# KiCad board FPGA_Board_BA.kicad_pcb (continued)
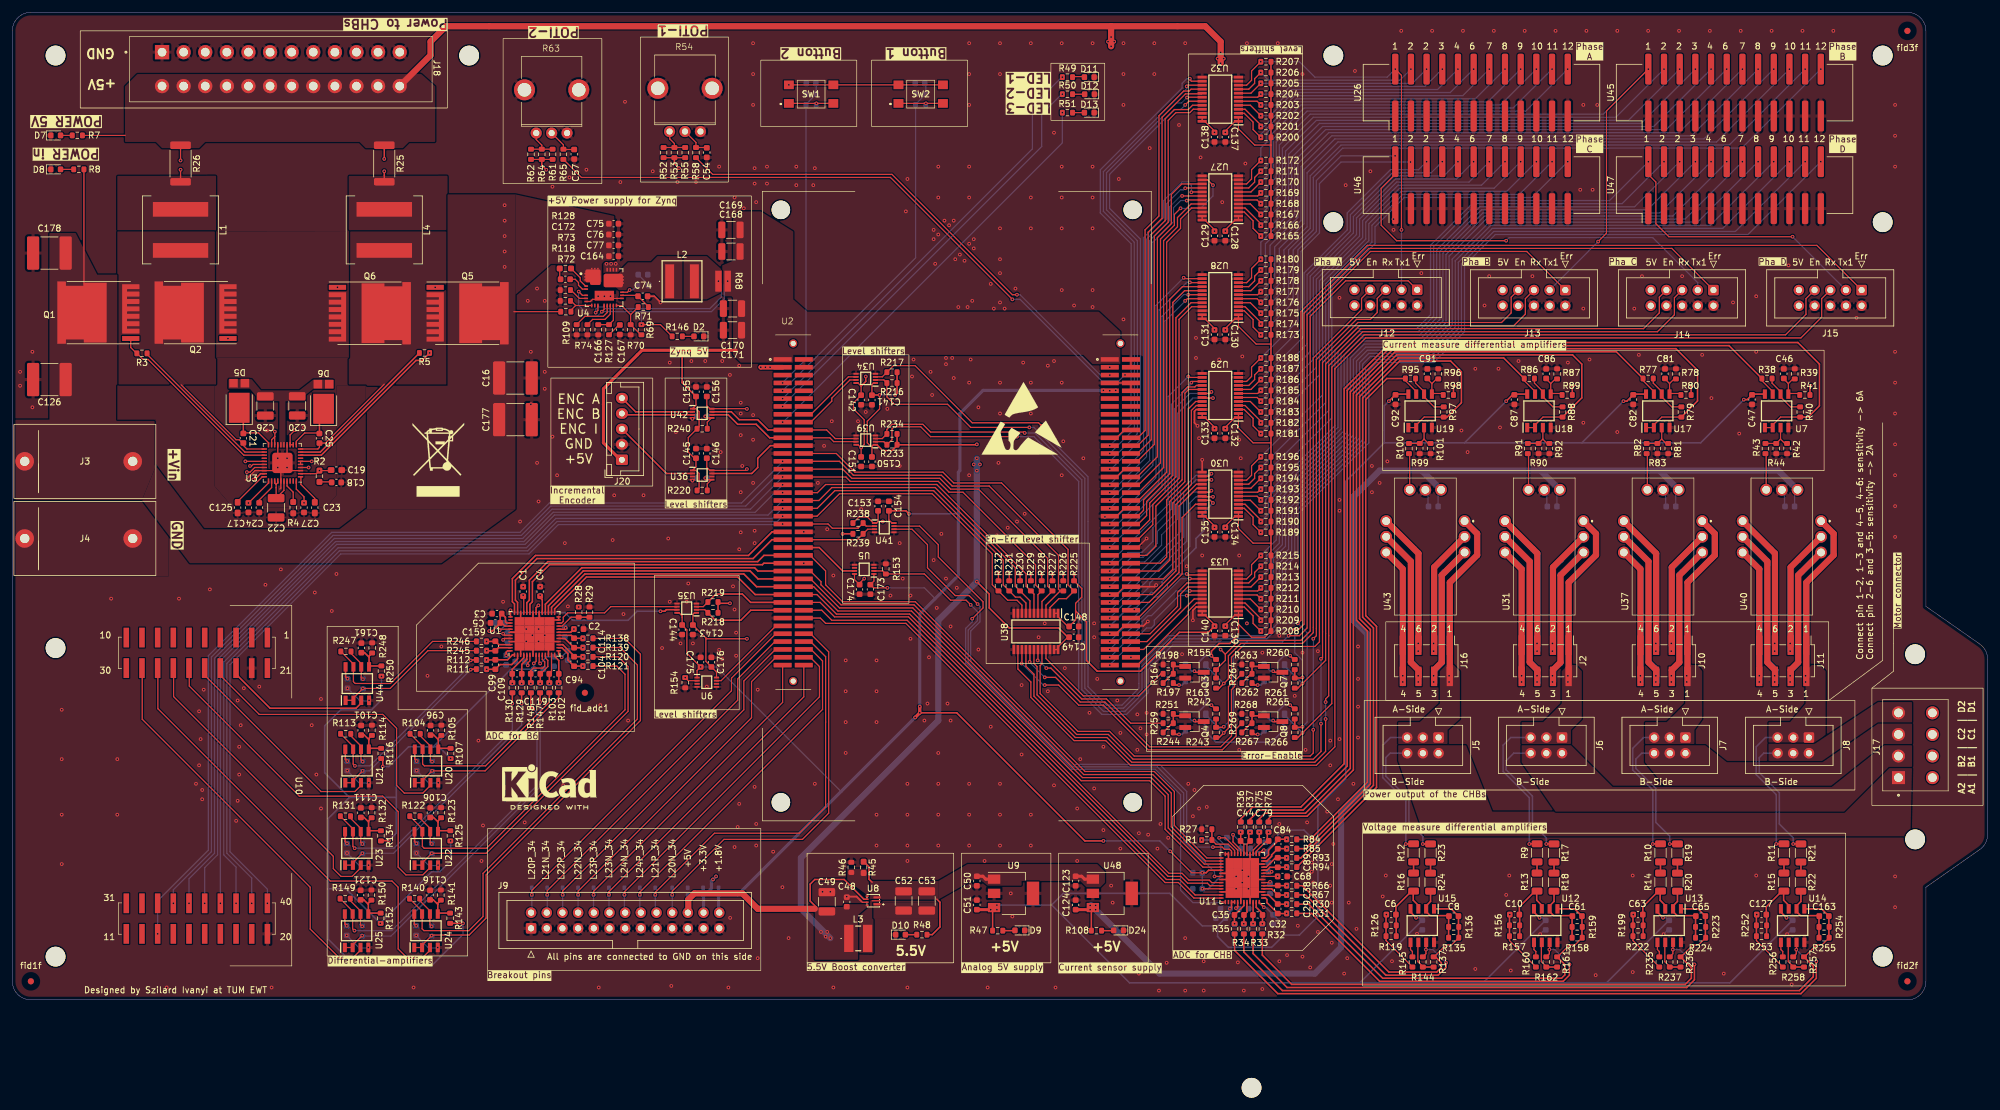
[diagram p0: board, top side]
## Routing (per net, layer and track width the routed paths; a pad name or vN(x,y) marks a point on that pad's centre or on a via; arc(x,y) is an arc through that point) (continued)
/FPGA/Poti2: length 106.3
  Top w0.2: 89.27,136.18 92.2,133.25 142.25,133.25 v1(162,113.5)
  Bottom w0.2: v1(162,113.5) 163.25,113.5 176.5,100.25 179.25,100.25 v1(180.25,101.25)
/FPGA/PWM_AH: length 140.2
  Bottom w0.2: v1(41.32,15.64) 41.32,17.93 35.25,24 35.25,54.31 53.19,72.25 83.7,72.25 88.45,77 124.69,77 v1(124.79,77.09)
/FPGA/PWM_AL: length 140.5
  Bottom w0.2: v1(38.78,15.64) 38.78,19.72 34.75,23.75 34.75,54.52 52.98,72.75 83.49,72.75 88.24,77.5 123.92,77.5 v1(124.79,78.37)
/FPGA/PWM_BH: length 140.8
  Bottom w0.2: v1(36.24,15.64) 36.24,21.51 34.25,23.5 34.25,54.72 52.78,73.25 83.29,73.25 88.04,78 123.15,78 v1(124.79,79.64)
/FPGA/PWM_BL: length 141.1
  Bottom w0.2: v1(124.79,80.91) 122.43,78.55 87.81,78.55 83.06,73.8 52.55,73.8 33.7,54.95 v1(33.7,15.64)
/FPGA/PWM_CH: length 143.6
  Bottom w0.2: v1(31.16,15.64) 31.16,21.41 33.25,23.5 33.25,55.14 52.36,74.25 82.87,74.25 87.62,79 120.34,79 v1(124.79,83.44)
/FPGA/PWM_CL: length 145.6
  Bottom w0.2: v1(28.62,15.64) 28.62,19.62 32.75,23.75 32.75,55.34 52.16,74.75 82.66,74.75 87.41,79.5 119.57,79.5 v1(124.79,84.72)
/Main_DCDC/Comp1: length 18.7
  Top w0.2: U3.2 49.25,85.25 v1(49.75,85.75) 51.55,85.75 C19.1
  Top w0.25: 39.02,84.31 39.27,84.31 40.21,85.25 U3.29
  In2.Cu w0.25: 39.02,84.31 v1(39.06,84.31) 48.31,84.31 v1(49.75,85.75)
/Main_DCDC/Leg-1/Gate_H: length 30.2
  Top w0.2: 20.18,104.75 21.18,103.75 22,103.75 37.5,88.25 U3.23 ; 20.05,104.83 19.18,105.7 Q1.1
/Main_DCDC/Leg-1/Gate_L: length 22
  Top w0.2: 42.5,91.25 42.52,91.27 v1(42.52,92.06) ; 42.5,91.25 42,90.75 U3.19 ; 42.5,91.25 U3.18
  Top w0.25: v1(34.93,107.15) 35.02,107.06
  In2.Cu w0.2: v1(34.93,107.15) 34.93,104.65 42.52,97.06 v1(42.52,92.06)
/Main_DCDC/Leg-1/R_I+: length 61.4
  Top w0.2: v1(27.25,134.5) R26.2 ; v1(38,85.5) 38.5,85.5 39.25,86.25 U3.27
  In2.Cu w0.2: v1(38,85.5) 37.25,85.5 36.75,86 35.25,86 33.03,88.23 33.03,130.66 28.68,135 27.75,135 v1(27.25,134.5)
/Main_DCDC/Leg-1/SW: length 17.9
  Top w0.2: 37.42,90.14 37.42,89.83 38,89.25 U3.21 ; C21.2 37.28,90.23 36.75,90.75 36.24,90.75 27.35,99.64
/Main_DCDC/Leg-2/Gate_H: length 38.8
  Top w0.25: U3.8 50.05,88.25 65.4,103.6 66.39,103.6 v1(67.59,104.81)
  In2.Cu w0.25: v1(68.5,115.45) 68.5,105.71 v1(67.59,104.81)
/Main_DCDC/Leg-2/Gate_L: length 29.6
  Top w0.2: v1(45.77,92.31) 45,91.54 U3.13 U3.12
  In2.Cu w0.2: v1(52.67,115.45) 52.67,104.46 45.25,97.04 45.25,92.83 v1(45.77,92.31)
/Main_DCDC/Leg-2/R_I+: length 61.6
  Top w0.2: v1(48,86.25) U3.4
  Top w0.25: R25.2 v1(60.25,134.25)
  In2.Cu w0.2: v1(60.25,134.25) 59.5,135 57,135 54.5,132.5 54.5,88.5 52.75,86.75 49.25,86.75 48.75,86.25 v1(48,86.25)
/Main_DCDC/Leg-2/SW: length 18.2
  Top w0.2: U3.10 49.5,89.25 49.75,89.5 49.75,90.12 ; 49.75,90.21 50.71,90.21 60.25,99.75
/Main_DCDC/Mode: length 6.8
  Top w0.2: 42.73,83.52 C22.1 44,82.56 U3.36 ; 42.73,83.52 42.5,83.75 U3.33 ; 42.73,83.52 43,83.79 U3.34
/User Interaction/LED1: length 70.9
  Bottom w0.2: v1(124.79,97.42) 165.25,137.88 165.25,144.75 170,149.5 v1(170.1,149.5)
/User Interaction/LED2: length 69.4
  Bottom w0.2: v1(124.79,96.15) 124.79,96.29 166.75,138.25 166.75,143.5 169.99,146.74 v1(170.1,146.74)
/User Interaction/LED3: length 69
  Bottom w0.2: v1(170.1,143.75) 170.1,138.85 124.86,93.61 v1(124.79,93.61)
/Zynq_5V/CBOOT: length 3.9
  Top w0.2: R128.2 92,117 92,116.5 92.85,115.65 U4.4
/Zynq_5V/FB: length 8.7
  Top w0.2: 100.16,111.03 98.69,112.5 U4.16 ; 100.16,111.03 R71.1 ; 100.16,111.03 R70.1 101.81,107.75 R69.2
/Zynq_5V/SW_Boot: length 3.5
  Top w0.2: U4.5 92.35,115.15 91.72,115.78 91.72,116.22 91.18,116.75 C172.2
REFOUT_B6: length 172.4
  Top w0.2: v1(84.48,54.5) 84.85,54.87 U1.8
  Top w0.25: v1(60,37.8) 60,38.8 59.8,39 ; v1(73,12.4) 70.8,12.4 ; v1(61,25.8) 59.8,25.8
  Bottom w0.25: 68.2,41 69.1,41 v1(71,39.1) ; 68.2,41 80.78,53.58 84.48,53.58 v1(84.48,54.5) ; 68.2,41 64.2,41 62.2,39 ; 62.2,39 62.2,32.8 ; 62.2,39 61,37.8 v1(60,37.8) ; v1(71,25.75) 71,22.5 69.25,20.75 67.95,20.75 v1(59.6,12.4) 54,18 51.2,18 ; 62.2,32.8 62.2,27 v1(61,25.8) ; 62.2,32.8 54.6,32.8 ; 51.2,18 51.2,9.8 55.4,5.6 68,5.6 73,10.6 v1(73,12.4) ; 51.2,18 51.2,29.4 54.6,32.8 ; 54.6,32.8 50.6,36.8 50.6,44.4 53.2,47 58.2,47 59.8,48.6 v1(59.8,52.4)
REFOUT_M: length 297.2
  Top w0.2: R256.1 286.81,5.33 282.54,9.6 R253.2 ; R235.1 266.81,5.33 262.54,9.6 R222.2 ; v1(204.98,20) 202.66,20 U11.8 ; R160.1 246.81,5.33 242.54,9.6 R157.2 ; R119.2 222.54,9.6 226.81,5.33 R145.1
  Top w0.25: v1(272.08,99.5) 271.96,99.39 R80.2 ; v1(262.59,13.82) 262.54,13.77 R222.2 ; v1(222.59,13.82) 222.54,13.77 R119.2 ; v1(233.58,99.5) 233.46,99.39 R98.2 ; v1(282.59,13.82) 282.54,13.77 R253.2 ; v1(242.59,13.82) 242.54,13.77 R157.2 ; v1(291.33,99.5) 291.21,99.39 R41.2 ; v1(252.83,99.5) 252.71,99.39 R89.2
  In2.Cu w0.2: 238.75,18 218.4,18 216.4,20 ; 238.75,18 238.5,18 242.59,13.91 v1(242.59,13.82) ; 238.75,18 258.4,18 ; v1(204.98,20) 216.4,20 ; 216.4,20 v1(222.59,13.82) ; 216.4,20 216.5,20.1 216.5,86.25 229.75,99.5 v1(233.58,99.5) v1(252.83,99.5) v1(291.33,99.5) ; 258.4,18 278.4,18 v1(282.59,13.82) ; 258.4,18 v1(262.59,13.82)
Net-(C8-Pad2): length 45.3
  Top w0.2: R137.1 230.33,6.97 232.25,8.89 233.15,8.89 R135.2
  Top w0.25: R135.2 234.27,10.12 C8.2 234.27,13.57 233.09,14.74 U15.1 ; R66.2 209,18.5 223,4.5 230.75,4.5 231.5,5.25 231.5,6 230.53,6.97 R137.1
Net-(C18-Pad1): length 2
  Top w0.2: C18.1 51.64,83.93 R2.1
Net-(C54-Pad1): length 5.1
  Top w0.2: R54.2 110.75,138.91 R58.1 112.45,138.1 C54.1
Net-(C57-Pad1): length 5.2
  Top w0.2: R63.2 89.27,138.54 R65.1 89.32,137.78 C57.1
Net-(C61-Pad2): length 65.4
  Top w0.2: R161.1 250.33,6.97 252.25,8.89 253.15,8.89 R158.2
  Top w0.25: R161.1 251.5,5.72 251.5,4.04 250.96,3.5 222,3.5 210,15.5 R30.2 ; R158.2 254.27,10.12 C61.2 254.27,13.57 253.09,14.74 U12.1
Net-(C65-Pad2): length 92.8
  Top w0.2: R236.1 270.33,6.97 272.25,8.89 273.15,8.89 R224.2
  Top w0.25: R236.1 272,5.22 272,3.5 271,2.5 207.25,2.5 202.5,7.25 R32.2 ; U13.1 273.09,14.74 274.27,13.57 C65.2 274.27,10.12 R224.2
Net-(C163-Pad2): length 115.9
  Top w0.2: R255.2 293.15,8.89 292.25,8.89 290.33,6.97 R257.1
  Top w0.25: U14.1 293.09,14.74 294.27,13.57 C163.2 294.27,10.12 R255.2 ; R257.1 291.75,5.47 291.75,3.75 289.5,1.5 205.75,1.5 199.5,7.75 R34.2
Net-(C165-Pad1): length 2.4
  Bottom w0.2: R117.2 103.07,115.81 C165.1
Net-(C167-Pad1): length 2.4
  Top w0.2: C167.1 98.26,109.35 R127.1
Net-(C172-Pad1): length 1.8
  Top w0.2: R128.1 88.67,116.89 C172.1
Net-(D2-A): length 1.9
  Top w0.2: R146.2 D2.2
Net-(D5-K): length 9.5
  Top w0.2: 37.42,91.86 39.89,91.86 41.5,90.25 U3.20
  Top w0.25: D5.1 37.42,95.26 C21.1
Net-(D6-K): length 9.2
  Top w0.2: U3.11 46,90.5 47.34,91.84 49.75,91.84
  Top w0.25: C25.1 49.75,95.1 D6.1
Net-(D7-A): length 1.9
  Top w0.2: D7.2 R7.2
Net-(D8-A): length 2.1
  Top w0.2: D8.2 R8.2
Net-(D9-A): length 2
  Top w0.25: R47.2 162.38,11.21 D9.2
Net-(D10-A): length 1.8
  Top w0.25: R48.2 D10.2
Net-(D11-A): length 2
  Top w0.2: 173.68,149.75 173.51,149.59 171.75,149.59
Net-(D12-A): length 2
  Top w0.2: R50.2 171.76,146.73 D12.2
Net-(D13-A): length 1.9
  Top w0.2: R51.2 D13.2
Net-(D24-A): length 2
  Top w0.25: R108.2 178.38,11.21 D24.2
Net-(D25-K): length 2.5
  Top w0.25: R197.1 188.25,51.15 188.35,51.15 188.5,51 v1(189,51)
  Bottom w0.25: v1(189,51) 189.5,51 190.05,51.55 D25.1
Net-(D26-K): length 3.4
  Top w0.25: Q3.3 191.68,53.08 v1(191.5,53.25)
  Bottom w0.25: v1(191.5,53.25) 191.07,53.25 D26.1
Net-(D27-K): length 3.4
  Top w0.25: Q4.3 191.68,45.08 v1(191.5,45.25)
  Bottom w0.25: v1(191.5,45.25) 191.07,45.25 D27.1
Net-(D28-K): length 2.5
  Top w0.25: v1(189,43) 188.5,43 188.35,43.15 188.25,43.15 R244.1
  Bottom w0.25: D28.1 190.05,43.55 189.5,43 v1(189,43)
Net-(D29-K): length 3.4
  Top w0.25: v1(204.25,53.25) 204.43,53.08 Q7.3
  Bottom w0.25: v1(204.25,53.25) 203.82,53.25 D29.1
Net-(D30-K): length 2.5
  Top w0.25: v1(201.75,51) 201.25,51 201.1,51.15 201,51.15 R262.1
  Bottom w0.25: D30.1 202.8,51.55 202.25,51 v1(201.75,51)
Net-(D31-K): length 3.4
  Top w0.25: Q8.3 204.43,45.08 v1(204.25,45.25)
  Bottom w0.25: D31.1 203.82,45.25 v1(204.25,45.25)
Net-(D32-K): length 2.5
  Top w0.25: v1(201.75,43) 201.25,43 201.1,43.15 201,43.15 R267.1
  Bottom w0.25: D32.1 202.8,43.55 202.25,43 v1(201.75,43)
Net-(Q3-G): length 5.8
  Top w0.25: Q3.1 188.38,54.03 R198.1 R164.1 187.93,52.83 186.43,51.33
Net-(Q4-G): length 5.8
  Top w0.25: Q4.1 188.38,46.03 R251.1 R259.1 187.93,44.83 186.43,43.33
Net-(Q7-G): length 5.8
  Top w0.25: R262.2 200.68,52.83 R264.1 R263.1 201.12,54.03 Q7.1
Net-(Q8-G): length 5.8
  Top w0.25: Q8.1 201.12,46.03 R268.1 R269.1 200.68,44.83 R267.2
Net-(R10-Pad2): length 1.8
  Top w0.25: R10.2 267,22.35 R14.1
Net-(R11-Pad2): length 1.8
  Top w0.25: R15.1 287,22.35 R11.2
Net-(R12-Pad2): length 1.8
  Top w0.25: R12.2 227,22.35 R16.1
Net-(R13-Pad1): length 1.8
  Top w0.25: R13.1 247,22.35 R9.2
Net-(R17-Pad2): length 1.8
  Top w0.25: R18.1 R17.2
Net-(R19-Pad2): length 1.8
  Top w0.25: R20.1 R19.2
Net-(R21-Pad2): length 1.8
  Top w0.25: R22.1 R21.2
Net-(R23-Pad2): length 1.8
  Top w0.25: R24.1 R23.2
Net-(R37-Pad2): length 156.3
  Top w0.2: R38.1 283.43,100.33 285.18,98.57 285.18,98.14
  Top w0.25: R38.1 278.1,106 223.5,106 216.25,98.75 216.25,37.88 209.12,30.75 202,30.75 200.5,29.25 R37.2
Net-(R52-Pad2): length 6.4
  Top w0.2: R53.2 107.25,138.75 106.5,139.5 106.5,140.66 R54.1 ; R52.2 R55.2
Net-(R56-Pad1): length 7.5
  Top w0.2: SW1.1 v1(130.25,145.25) SW1.2
  Bottom w0.2: v1(130.25,145.25) 130.23,145.23 R56.1
Net-(R59-Pad1): length 7.5
  Top w0.2: SW2.2 v1(148,145.25) SW2.1
  Bottom w0.2: 147.98,145 147.98,145.23 v1(148,145.25)
Net-(R61-Pad2): length 6.5
  Top w0.2: R64.2 85.77,138.48 84.86,139.39 R63.1 ; R61.2 R62.2
Net-(R76-Pad2): length 133.3
  Top w0.2: R77.1 264.18,100.33 265.93,98.57 U17.7
  Top w0.25: R77.1 259.85,105 224,105 217.25,98.25 217.25,37.25 209.75,29.75 203.93,29.75 203.5,29.33 R76.2
Net-(R85-Pad2): length 113.6
  Top w0.2: R86.1 244.93,100.33 246.68,98.57 246.68,98.14
  Top w0.25: R85.2 209.5,24.5 220,35 220,60 218.25,61.75 218.25,97.75 224.5,104 241.6,104 R86.1
Net-(R94-Pad2): length 92.9
  Top w0.2: U19.7 227.43,98.57 225.68,100.33 R95.1
  Top w0.25: R94.2 221,34.43 221,60.5 219.25,62.25 219.25,97.25 222.68,100.68 R95.1
Net-(R103-Pad2): length 32.2
  Top w0.2: 87,49 87,48.25 76.66,37.91 66.75,37.91 66.46,38.2 U20.7 66.46,41.06 R104.1
  Top w0.25: R103.2 87,49
Net-(R112-Pad2): length 33.4
  Top w0.2: R113.1 55.21,41.06 U21.7 55.21,38.2 v1(55.5,37.91)
  Top w0.25: v1(74.25,55) 74.33,55.08 R112.2
  Bottom w0.2: v1(74.25,55) 73.5,54.25 73.5,53.5 57.91,37.91 v1(55.5,37.91)
Net-(R121-Pad2): length 59.5
  Top w0.2: R122.1 66.42,27.72 U22.7 66.42,24.85 66.71,24.56 76.81,24.56 99.25,47 99.25,52.75 97.92,54.08 R121.2
Net-(R130-Pad2): length 45.6
  Top w0.2: R131.1 55.17,27.72 U23.7 55.17,24.85 v1(55.46,24.56)
  Top w0.25: R130.2 v1(81,48)
  Bottom w0.2: v1(55.46,24.56) 61.81,24.56 81,43.75 v1(81,48)
Net-(R139-Pad2): length 76.1
  Top w0.2: R139.2 98.42,57.08 101.25,54.25 101.25,45.5 76.25,20.5 76.25,13.5 73.96,11.21 66.67,11.21 66.38,11.5 U24.7 66.38,14.37 R140.1
Net-(R144-Pad2): length 37.5
  Top w0.2: U15.7 229.04,8.18 v1(229,8.14) 229,7.47 R144.2
  Top w0.25: R67.2 209.5,17 222.5,4 231,4 232.25,5.25 v1(232.25,6)
  Bottom w0.2: v1(229,8.14) 230.11,8.14 v1(232.25,6)
Net-(R148-Pad2): length 60.9
  Top w0.2: R149.1 55.13,14.37 U25.7 55.13,11.5 v1(55.42,11.21)
  Top w0.25: v1(84.38,47.12) 84,47.5 R148.2
  Bottom w0.2: v1(84.38,47.12) 85,46.5 85,34.75 61.46,11.21 v1(55.42,11.21)
Net-(R162-Pad2): length 57.7
  Top w0.2: R162.2 249,7.47 v1(249,8.14) 249.04,8.18 U12.7
  Top w0.25: v1(252.25,5.75) 252.25,4 251.25,3 221.5,3 210.5,14 R31.2
  Bottom w0.2: v1(249,8.14) 249.86,8.14 v1(252.25,5.75)
Net-(R237-Pad2): length 87
  Top w0.2: R237.2 269,7.47 v1(269,8.14) 269.04,8.18 U13.7
  Top w0.25: R33.2 201,7.5 206.5,2 271.25,2 272.5,3.25 v1(272.5,5.75)
  Bottom w0.2: v1(272.5,5.75) 270.11,8.14 v1(269,8.14)
Net-(R246-Pad2): length 28.6
  Top w0.2: R247.1 55.25,54.41 U44.7 55.25,51.55 55.54,51.26 61.26,51.26 68.08,58.08 R246.2
Net-(R258-Pad2): length 110.2
  Top w0.2: R258.2 289,7.47 v1(289,8.14) 289.04,8.18 U14.7
  Top w0.25: R35.2 198,8 205,1 289.75,1 292.25,3.5 v1(292.25,6.25)
  Bottom w0.2: v1(292.25,6.25) 290.89,6.25 v1(289,8.14)
Net-(U1-Ain8+): length 2.2
  Top w0.25: U1.48 79.73,58.55 v1(79.5,58.33)
  Bottom w0.25: R6.1 80.03,57.8 v1(79.5,58.33)
Net-(U1-Ain8-): length 2.1
  Top w0.25: v1(79.5,59.33) 79.77,59.05 U1.47
  Bottom w0.25: R110.1 79.72,59.55 v1(79.5,59.33)
Net-(U1-REFOUT1): length 1.5
  Top w0.25: U1.22 89.59,60.05 89.77,60.24 89.67,60.24 v1(89.63,60.28)
Net-(U1-REFOUT2): length 4.2
  Top w0.2: v1(85.5,54.5) 85.35,54.65 U1.9
  Bottom w0.2: v1(85.5,54.5) 86.58,55.58 C13.2
Net-(U1-REFOUT3): length 1.8
  Top w0.2: U1.6 83.85,54.92 83.5,54.58 v1(83.5,54.2)
Net-(U1-REFOUT4): length 3.4
  Top w0.2: v1(78.93,59.89) 79.1,60.05 U1.45
  Bottom w0.25: C15.2 79.78,60.6 79,59.83
Net-(U1-~{SDR}/DDR): length 5.6
  Top w0.2: U1.23 89.05,60.55 90.5,62 R28.1
  Top w0.25: R28.1 R29.1
Net-(U3-HO1): length 25.7
  Top w0.2: R3.2 21.83,104.59 37.67,88.75 U3.22
Net-(U3-HO2): length 25.9
  Top w0.25: U3.9 49.89,88.75 R5.2
Net-(U3-RES): length 4.3
  Top w0.2: U3.32 42,83 40,81 40,80.61
Net-(U3-RT): length 3.8
  Top w0.2: U3.37 44.5,83.25 45.5,82.25 R4.2
Net-(U3-SS1): length 6.1
  Top w0.2: U3.30 40.5,84.75 36.5,80.75 C125.1
Net-(U3-SS2): length 5.1
  Top w0.2: C23.1 49,81.25 46.75,83.5 46.75,84.69 U3.1
Net-(U4-CONFIG): length 6.9
  Top w0.2: R109.2 91.41,109.41 92.75,110.75 95.75,110.75 96.36,111.36 U4.13
Net-(U4-En/UVLO): length 5.1
  Top w0.2: 91.25,112.5 90.49,111.74 R72.2 ; 91.25,112.5 90.5,113.25 R118.2 ; 91.25,112.5 U4.9
Net-(U4-EXTCOMP): length 5.1
  Top w0.2: C166.2 R127.2 97.36,110.1 U4.15
Net-(U4-ISNS+): length 26
  Top w0.2: U4.11 94.86,111.71 v1(94.5,111.35)
  Bottom w0.2: v1(94.5,111.35) 94.5,111.88 94.88,112.25 95.75,112.25 96,112 113,112 114.85,113.85 114.85,115.99 v1(114.39,116.45)
Net-(U4-PG/SYNCOUT): length 3.1
  Top w0.2: R73.2 90.5,115 91.85,113.65 U4.7
Net-(U4-RT): length 5.8
  Top w0.2: U4.14 96.86,111.11 96,110.25 94.01,110.25 R74.2
Net-(U4-VCC): length 2.9
  Top w0.2: v1(100,115) 99.65,114.65 U4.19
  Bottom w0.2: v1(100,115) 100.5,115 R117.1
Net-(U4-VDDA): length 5.1
  Top w0.2: U4.18 101.21,114.15 C74.1 103.04,112.33 R71.2
Net-(U7A-+): length 5.9
  Top w0.2: 286.45,90.85 U7.3 ; 286.45,90.85 287.14,90.15 R42.1 ; 286.45,90.85 R44.1 R43.2
Net-(U7A--): length 180.6
  Top w0.2: U7.1 285.18,92.72 285.18,93.14 286.46,94.43 R40.2
  Top w0.25: R36.2 199,29.33 200.93,31.25 208.75,31.25 215.75,38.25 215.75,99 223.25,106.5 289.25,106.5 292.75,103 292.75,96.25 290.93,94.43 R40.2
Net-(U7B-+): length 6.2
  Top w0.2: 287.72,99.86 286.98,100.59 ; 287.72,99.86 U7.5 287.82,98.25 289.75,98.25 ; 287.72,99.86 288.46,100.6 R39.2
Net-(U7B--): length 7.4
  Top w0.2: R38.2 285.07,99.93 286.45,98.55 U7.6 286.45,97.7 288.08,96.08 R40.1
Net-(U11-REFOUT1): length 6.5
  Top w0.2: v1(195.5,26.25) 196.51,26.25 198.51,24.25 U11.22
  Bottom w0.2: v1(195.5,26.25) 195.5,25.97 C69.2
Net-(U11-REFOUT2): length 1.4
  Top w0.2: v1(204,20.75) 203.96,20.75 203.74,20.53 203.47,20.53 203.47,20.53 202.66,20.53
Net-(U11-REFOUT3): length 1.1
  Top w0.2: v1(203.75,19.12) 203.62,18.99 U11.6
Net-(U11-REFOUT4): length 1.2
  Top w0.25: v1(198.22,14.86) 198.37,14.86 198.49,14.98 198.49,15.13 198.51,15.14 U11.45
Net-(U11-~{SDR}/DDR): length 6.7
  Top w0.2: R1.1 195,25.22 196.97,25.22 198.01,24.19 U11.23
  Top w0.25: R1.1 R27.1
Net-(U12A-+): length 11.9
  Top w0.25: R157.1 244.19,13.77 C10.1 244.14,15.08 246.67,17.62 R13.2 246.94,17.56 246.94,16.14 247.77,15.31 U12.3
Net-(U12A--): length 11.1
  Top w0.25: R18.2 249.75,15.95 249.04,15.24 U12.2 249.04,14.29 249.69,13.64 252.65,13.64 252.72,13.57 252.68,13.52 R158.1
Net-(U12B-+): length 2.5
  Top w0.2: U12.5 246.5,8.14 246.81,7.83 R160.2
Net-(U12B--): length 6.1
  Top w0.2: U12.6 247.7,9.24 247.7,6.19 248.5,5.39 R162.1
  Top w0.25: R161.2 R162.1
Net-(U13A-+): length 11.9
  Top w0.25: R222.1 264.19,13.77 C63.1 264.14,15.08 266.67,17.62 R14.2 266.94,17.56 266.94,16.14 267.77,15.31 U13.3
Net-(U13A--): length 11.1
  Top w0.25: R20.2 269.75,15.95 269.04,15.24 U13.2 269.04,14.29 269.69,13.64 272.65,13.64 272.72,13.57 272.68,13.52 R224.1
Net-(U13B-+): length 2.5
  Top w0.2: R235.2 266.81,7.83 266.5,8.14 U13.5
Net-(U13B--): length 6.1
  Top w0.2: U13.6 267.7,9.24 267.7,6.19 268.5,5.39 R237.1
  Top w0.25: R236.2 R237.1
Net-(U14A-+): length 11.9
  Top w0.25: U14.3 287.77,15.31 286.94,16.14 286.94,17.56 R15.2 286.67,17.62 284.14,15.08 C127.1 284.19,13.77 R253.1
Net-(U14A--): length 11.1
  Top w0.25: R22.2 289.75,15.95 289.04,15.24 U14.2 289.04,14.29 289.69,13.64 292.65,13.64 292.72,13.57 292.68,13.52 R255.1
Net-(U14B-+): length 2.5
  Top w0.2: R256.2 286.81,7.83 286.5,8.14 U14.5
Net-(U14B--): length 6.1
  Top w0.2: U14.6 287.7,9.24 287.7,6.19 288.5,5.39 R258.1
  Top w0.25: R257.2 R258.1
Net-(U15A-+): length 11.9
  Top w0.25: U15.3 227.77,15.31 226.94,16.14 226.94,17.56 R16.2 226.67,17.62 224.14,15.08 C6.1 224.19,13.77 R119.1
Net-(U15A--): length 11.1
  Top w0.25: R135.1 232.68,13.52 232.72,13.57 232.65,13.64 229.69,13.64 229.04,14.29 U15.2 229.04,15.24 229.75,15.95 R24.2
Net-(U15B-+): length 2.5
  Top w0.2: R145.2 226.81,7.83 226.5,8.14 U15.5
Net-(U15B--): length 6.1
  Top w0.2: R144.1 228.5,5.39 227.7,6.19 227.7,9.24 U15.6
  Top w0.25: R137.2 R144.1
Net-(U17A-+): length 5.9
  Top w0.2: R81.1 267.89,90.15 267.2,90.85 ; R82.2 R83.1 267.2,90.85 ; 267.2,90.85 U17.3
Net-(U17A--): length 155.6
  Top w0.2: R79.2 267.21,94.43 265.93,93.14 U17.2 264.66,92.72
  Top w0.25: R79.2 273,97.04 273,102 269.5,105.5 223.75,105.5 216.75,98.5 216.75,37.5 209.5,30.25 202.93,30.25 202,29.33 R75.2
Net-(U17B-+): length 6.2
  Top w0.2: 268.47,99.86 267.73,100.59 ; 268.47,99.86 U17.5 268.57,98.25 270.5,98.25 ; 268.47,99.86 269.21,100.6 R78.2
Net-(U17B--): length 7.4
  Top w0.2: R77.2 265.82,99.93 267.2,98.55 U17.6 267.2,97.7 268.83,96.08 R79.1
Net-(U18A-+): length 5.9
  Top w0.2: 247.95,90.85 U18.3 ; 247.95,90.85 R90.1 R91.2 ; 247.95,90.85 248.64,90.15 R92.1
Net-(U18A--): length 135.1
  Top w0.2: U18.1 246.68,92.72 246.68,93.14 247.96,94.43 R88.2
  Top w0.25: R88.2 254.25,97.54 254.25,103 252.75,104.5 224.25,104.5 217.75,98 217.75,61.5 219.5,59.75 219.5,35.25 210.25,26 R84.2
Net-(U18B-+): length 6.2
  Top w0.2: 249.22,99.86 U18.5 249.32,98.25 251.25,98.25 ; 249.22,99.86 248.48,100.59 ; 249.22,99.86 249.96,100.6 R87.2
Net-(U18B--): length 7.4
  Top w0.2: R88.1 249.58,96.08 247.95,97.7 U18.6 247.95,98.55 246.57,99.93 R86.2
Net-(U19A-+): length 5.9
  Top w0.2: 228.7,90.85 R99.1 R100.2 ; 228.7,90.85 229.39,90.15 R101.1 ; 228.7,90.85 U19.3
Net-(U19A--): length 115.5
  Top w0.2: R97.2 228.71,94.43 227.43,93.14 U19.2 226.16,92.72
  Top w0.25: R93.2 208.75,23 220.5,34.75 220.5,60.25 218.75,62 218.75,97.5 224.75,103.5 233,103.5 234.75,101.75 234.75,96.75 232.43,94.43 R97.2
Net-(U19B-+): length 6.2
  Top w0.2: 229.97,99.86 U19.5 230.07,98.25 232,98.25 ; 229.97,99.86 229.23,100.59 ; 229.97,99.86 230.71,100.6 R96.2
Net-(U19B--): length 7.4
  Top w0.2: R97.1 230.33,96.08 228.7,97.7 U19.6 228.7,98.55 227.32,99.93 R95.2
Net-(U20A--): length 30.1
  Top w0.2: 88.5,49 76.6,37.1 v1(68,37.1) 66.46,35.56 U20.2 U20.1
  Top w0.25: R102.2 88.5,49
  Bottom w0.2: R106.2 v1(68,37.1)
Net-(U20B-+): length 6.1
  Top w0.25: 69,42.18 69,42.35 R105.2 ; 69,42.18 U20.5 69.15,40.75 R107.1 ; 69,42.18 68.28,42.9 C96.1
Net-(U20B--): length 5.4
  Top w0.2: v1(68,38.6) 67.73,38.87 U20.6 67.73,41.12 66.08,42.78 R104.2
  Bottom w0.2: 68,38.68 v1(68,38.6)
Net-(U21A--): length 29.2
  Top w0.2: U21.1 U21.2 55.21,35.56 v1(56.75,37.1)
  Top w0.25: v1(74.25,53.5) 74.33,53.58 R111.2
  Bottom w0.2: v1(74.25,53.5) 57.85,37.1 v1(56.75,37.1) R115.2
Net-(U21B-+): length 6.1
  Top w0.25: R114.2 57.75,42.35 57.75,42.18 ; 57.75,42.18 U21.5 57.9,40.75 R116.1 ; 57.75,42.18 57.03,42.9 C101.1
Net-(U21B--): length 5.4
  Top w0.2: R113.2 54.83,42.78 56.48,41.12 U21.6 56.48,38.87 v1(56.75,38.6)
  Bottom w0.2: 56.75,38.68 v1(56.75,38.6)
Net-(U22A--): length 58.8
  Top w0.2: R120.2 98.17,55.58 99.75,54 99.75,46.75 76.75,23.75 v1(67.96,23.75) 66.42,22.21 U22.2 U22.1
  Bottom w0.2: R124.2 v1(67.96,23.75)
Net-(U22B-+): length 6.1
  Top w0.25: C106.1 68.23,29.55 68.96,28.83 ; 68.96,28.83 68.96,29 R123.2 ; 68.96,28.83 U22.5 69.11,27.4 R125.1
Net-(U22B--): length 5.4
  Top w0.2: v1(67.96,25.25) 67.69,25.52 U22.6 67.69,27.77 66.03,29.43 R122.2
  Bottom w0.2: R124.1 v1(67.96,25.25)
Net-(U23A--): length 43.5
  Top w0.2: U23.1 U23.2 55.17,22.21 v1(56.71,23.75)
  Top w0.25: R129.2 v1(82.5,48)
  Bottom w0.2: R133.2 v1(56.71,23.75) 61.75,23.75 82.5,44.5 v1(82.5,48)
Net-(U23B-+): length 6.1
  Top w0.25: C111.1 56.98,29.55 57.71,28.83 ; R132.2 57.71,29 57.71,28.83 ; 57.71,28.83 U23.5 57.86,27.4 R134.1
Net-(U23B--): length 5.4
  Top w0.2: 54.78,29.75 54.78,29.43 56.44,27.77 U23.6 56.44,25.52 v1(56.71,25.25)
  Bottom w0.2: R133.1 v1(56.71,25.25)
Net-(U24A--): length 75.8
  Top w0.2: R138.2 99.17,58.58 101.75,56 101.75,45.25 76.75,20.25 76.75,13.25 74,10.5 68.02,10.5 v1(67.92,10.4) 66.38,8.86 U24.2 U24.1
  Bottom w0.2: R142.2 v1(67.92,10.4)
Net-(U24B-+): length 6.1
  Top w0.25: 68.92,15.47 68.2,16.2 C116.1 ; 68.92,15.47 68.92,15.65 R141.2 ; 68.92,15.47 U24.5 69.07,14.05 R143.1
Net-(U24B--): length 5.4
  Top w0.2: v1(67.92,11.9) 67.65,12.17 U24.6 67.65,14.42 66,16.08 R140.2
  Bottom w0.2: R142.1 v1(67.92,11.9)
Net-(U25A--): length 58
  Top w0.2: U25.1 U25.2 55.13,8.86 v1(56.67,10.4)
  Top w0.25: R147.2 v1(85.5,48.25)
  Bottom w0.2: v1(56.67,10.4) R151.2 61.33,10.33 85.5,34.5 v1(85.5,48.25)
Net-(U25B-+): length 6.1
  Top w0.25: R150.2 57.67,15.65 57.67,15.47 ; C121.1 56.95,16.2 57.67,15.47 ; R152.1 57.82,14.05 U25.5 57.67,15.47
Net-(U25B--): length 5.4
  Top w0.2: v1(56.67,11.9) 56.4,12.17 U25.6 56.4,14.42 54.75,16.08 R149.2
  Bottom w0.2: R151.1 v1(56.67,11.9)
Net-(U36-DIR): length 3.6
  Top w0.2: v1(112.25,84.53) 112.5,84.28 U36.5 113.25,84.28 112.58,83.61 R220.2
  Bottom w0.2: R221.2 v1(112.25,84.53)
Net-(U42-DIR): length 3.6
  Top w0.2: v1(112.25,94.53) 112.5,94.28 U42.5 113.25,94.28 112.58,93.61 R240.2
  Bottom w0.2: R241.2 v1(112.25,94.53)
Net-(U44A--): length 24.8
  Top w0.2: R245.2 67.33,56.58 61.2,50.45 v1(56.79,50.45) 55.25,48.91 U44.2 U44.1
  Bottom w0.2: R249.2 v1(56.79,50.45)
Net-(U44B-+): length 6.1
  Top w0.25: C161.1 57.06,56.25 57.79,55.53 ; R250.1 57.94,54.1 U44.5 57.79,55.53 ; R248.2 57.79,55.7 57.79,55.53
Net-(U44B--): length 5.4
  Top w0.2: v1(56.79,51.95) 56.52,52.22 U44.6 56.52,54.47 54.87,56.12 R247.2
  Bottom w0.2: R249.1 v1(56.79,51.95)

## Copper pours and planes (outline as drawn; the poured copper is in the pictures)
+5V on Top: 57.25,138 56.25,139 31.25,139 30.25,138 24.25,138 23.25,139 18.25,139 18.25,148 20.25,150 66.25,150 68.5,148 68.5,139 64.25,139 63.25,138
+5V on Top: 130,15.5 130,6.5 137,6.5 137,13.75 138.75,15.25 138.75,15.5
+5V_Zynq on Top: 115,119 115,114.25 115.5,114 116.5,114 116.75,113.75 116.75,104.5 118,103.25 126.5,103.25 126.5,104.5 173.5,104.5 175,103 179.5,103 179.5,108.25 176,111.5 128.75,111.5 126.5,113.5 126.5,124.5 121.25,127.75 118,127.75 116.75,126.5 116.75,119.75
+5VA on In2.Cu: 158,15.75 158,14.25 160,14.25 160,15.75
+5VA_2 on In2.Cu: 174,15.75 174,14.25 176,14.25 176,15.75
/Analog Voltage/5.5V on Top: 138.75,16.25 138.75,19.25 150,19.25 150,16.25
/Analog Voltage/5.5V on Top: 174,18.25 173,19.25 163.5,19.25 163.5,18.5 160,18.5 160,22 175.75,22 177,20.75 177,19 176.25,18.25
/Analog Voltage/5.5V on Top: 150,19.25 150,16.25 155.75,19.5 156.75,19.5 158,18.5 161.25,18.5 161.25,21.25 160.25,22 154.75,22
/Main_DCDC/Vin on Top: 17,94 17,117.5 13.75,117.5 10.25,124.25 6,124.25 6,94 0,94 0,81 23.25,81 23.25,94
/Main_DCDC/Vin on Top: 23.25,86.5 21,81 28.75,70.75 69.5,70.75 81.5,79.5 57.25,79.5 53,76.25 31,76.25
/Main_DCDC/Vin on Top: 92.5,116.25 92.25,116.5 92.25,117.25 91.25,118.25 91.25,119.25 87.25,119.25 81.5,114.25 81.5,130.5 97.5,127 97.5,119.75 96,119.75 95.5,119.25 95.5,116.25
/Main_DCDC/Vin on Top, Bottom: 81.5,79.5 81.5,130.5 70.5,130.5 70.5,99.5 61.75,99.5 57.25,95 57.25,79.5
/Main_DCDC/Vin on Bottom: 0,80 81.25,80 81.25,94 0,94
GND on Top: 33.02,104.06 54.52,104.06 54.52,124.56 33.02,124.5
GND on Top: 135.5,15.25 130,15.25 129.25,16 129.25,18.75 130,19.5 134.75,19.5 138.75,16.5 138.75,15.7 135.5,15.7
GND on Top: 50.75,79.75 35.75,79.75 32.75,83.25 32.75,99.5 17,99.5 17,94 23.25,94 23.25,75 57.25,75 57.25,99.5 52.5,99.5 52.5,81.75
GND on Top: 139.5,15.75 139.5,13.25 150,13.25 150,15.75
GND on Top: 95.75,117.75 95.75,119.25 96,119.5 98,119.5 98.5,119 98.5,118.25 98,117.75
GND on Top, Bottom, In1.Cu, In2.Cu: 0.27,80.56 0.27,68.56 25.27,68.56 25.27,80.56
GND on Top, Bottom, In1.Cu, In2.Cu: 0,160 310,160 310,63.75 320,56.75 320,25.25 310,18.25 310,0 0,0
GND on Bottom, In1.Cu, In2.Cu: 0,80 0,160 80,160 80,80
/CHB to 3Ph/Ph_A2_out on Top: 224.5,41.25 224.5,38.75 228.75,26.5 307.5,26.5 307.75,37.75 304,37.75 296.75,30.5 239.75,30.5 235.5,41.25
/CHB to 3Ph/Ph_B2_out on Top: 244.5,41.25 244.5,38.5 250,30.5 296.75,30.5 304,37.75 307.75,37.75 307.75,41.25 303.25,41.25 294.75,34.5 259.25,34.5 252.5,41.25
/CHB to 3Ph/Ph_C2_out on Top: 264.5,41.25 264.5,38.5 267.75,34.5 294.75,34.5 303.25,41.25 307.75,41.25 307.75,44.75 302.25,44.75 293.25,38.5 277.75,38.5 274.25,41.25
/CHB to 3Ph/Ph_D2_out on Top: 284.5,41.5 284.5,38.5 293.25,38.5 302.25,44.75 307.75,44.75 307.75,48.25 302.25,48.25 292,41.5
/Current measure/Tamura_1/pin1 on Top, In1.Cu: 224.5,45 224.5,41.25 232.5,41.25 232.5,43.75 234.5,45.5 234.5,53.25 233.5,54.25 232.25,54.25 231.25,53.25 231.25,48 228,45
/Current measure/Tamura_1/pin4 on In1.Cu: 224.25,52.5 223.5,51.75 224.5,45 224.5,38.75 228.75,26.5 315,26.5 315.25,37.75 304,37.75 296.75,30.5 242.75,30.5 235.75,50.25 226.75,50.25 226.75,51.75 226,52.5
/Current measure/Tamura_2/pin1 on Top, In1.Cu: 244.5,45 244.5,41.25 252.5,41.25 252.5,43.75 254.25,45.5 254.25,53.25 253.25,54.25 252,54.25 251,53.25 251,48 248,45
/Current measure/Tamura_2/pin4 on In1.Cu: 244.25,53.25 243.25,52 235.75,50.25 242.75,30.5 296.75,30.5 304,37.75 315.25,37.75 315.25,41.25 303.25,41.25 294.75,34.5 260.25,34.5 252.75,50.25 246.25,50.25 246.25,52 245.5,53.25
/Current measure/Tamura_3/pin1 on Top, In1.Cu: 264.5,45 264.5,41.25 272.5,41.25 272.5,43.75 273.75,45.5 273.75,53.25 273,54.25 271.75,54.25 271,53.25 271,48 268,45
/Current measure/Tamura_3/pin4 on In1.Cu: 263.75,53.25 262.75,52 252.75,50.25 260.25,34.5 294.75,34.5 303.25,41.25 315.25,41.25 315.25,44.75 302.25,44.75 293.25,38.5 277.75,38.5 274.25,47.5 268.75,47.5 266.45,50 266.45,52 265.75,53.25
/Current measure/Tamura_4/pin1 on Top, In1.Cu: 284.5,45 284.5,41.5 292,41.5 293.75,43 293.75,53.25 292.75,54.25 291.5,54.25 290.5,53.25 290.5,48 288,45
/Current measure/Tamura_4/pin4 on In1.Cu: 283.25,53 285.25,53 286.25,51.75 286.25,50.5 315.25,50.5 315.25,44.75 302.25,44.75 293.25,38.5 277.75,38.5 274.25,47.5 282.25,51.75
/Main_DCDC/Leg-1/R_I+ on Top: 17,124.5 17,133.5 33,133.52 33,124.5
/Main_DCDC/Leg-1/SW on Top: 33,99.5 17,99.5 17,124.5 33,124.5
/Main_DCDC/Leg-2/R_I+ on Top: 54.5,124.5 54.5,133.5 70.5,133.52 70.5,124.5
/Main_DCDC/Leg-2/SW on Top: 70.5,99.5 54.5,99.5 54.5,124.5 70.5,124.5
Net-(D5-A) on Top: 44.25,89.5 44.25,97 47.5,97 47.5,98 48.75,99 52,99 52,100.5 48.75,100.5 46.5,98.75 40.27,98.75 38.77,100.56 35,100.56 35,99 38.5,99 39.5,97.81 39.5,97 43.25,97 43.25,89.5
Net-(L2-Pad1) on Top: 97.75,115.5 98.25,115 100.5,115 101,114.5 104,114.5 105,113.5 108.75,113.5 108.75,120.5 104.5,120.5 103.5,119.5 99.75,119.5 98,117.75 95.75,117.75 95.75,115.5
Net-(U4-ISNS+) on Top: 108.75,120.5 108.75,113.5 112.5,113.5 115,114.75 115,118.25 112.5,120.5
Net-(U8-FB) on Top: 135.25,16.5 138.75,16.5 138.75,21.25 135.25,21.25
Net-(U8-SW) on Top: 138.75,16.25 138.75,15 137.02,13.75 137.02,7.56 139.5,7.5 139.5,16.25

## Text on the board
F.Silkscreen: Designed by Szilard Ivanyi at TUM EWT | Breakout pins | +5V Power supply for Zynq | Level shifters | Zynq 5V | 5.5V Boost converter | Analog 5V supply | En-Err level shifter | Current sensor supply | ADC for CHB | Error-Enable | Pha A | Voltage measure differential amplifiers | Power output of the CHBs | Current measure differential amplifiers | B-Side | A-Side | 4 | 6 | 5 | 2 | 3 | 1 | Pha B | Pha C | Pha D | Differential-amplifiers | ADC for B6 | Incremental / Encoder | All pins are connected to GND on this side | 5V | En | Rx | Tx1 | Err | 7 | 8 | 9 | 10 | 11 | 12 | Phase / A | Phase / C | Phase / B | Phase / D | Connect pin 1-2, 1-3 and 4-5, 4-6: sensitivity -> 6A / Connect pin 2-6 and 3-5: sensitivity -> 2A | Motor connector | L20P_34 | L21N_34 | L22P_34 | L22N_34 | L23P_34 | L23N_34 | L24N_34 | L24P_34 | L21P_34 | L20N_34 | +5V | +3.3V | +1.8V | A2 | B2 | C2 | D2 / A1 | B1 | C1 | D1 | ENC A / ENC B / ENC I / GND / +5V | 5.5V | POWER in | POWER 5V | GND | Power to CHBs | POTI-2 | POTI-1 | Button 2 | Button 1 | LED-3 / LED-2 / LED-1 | +Vin
